# Allegro board C000PD020-3399PRO-DMEB-A-A01.brd (continued)
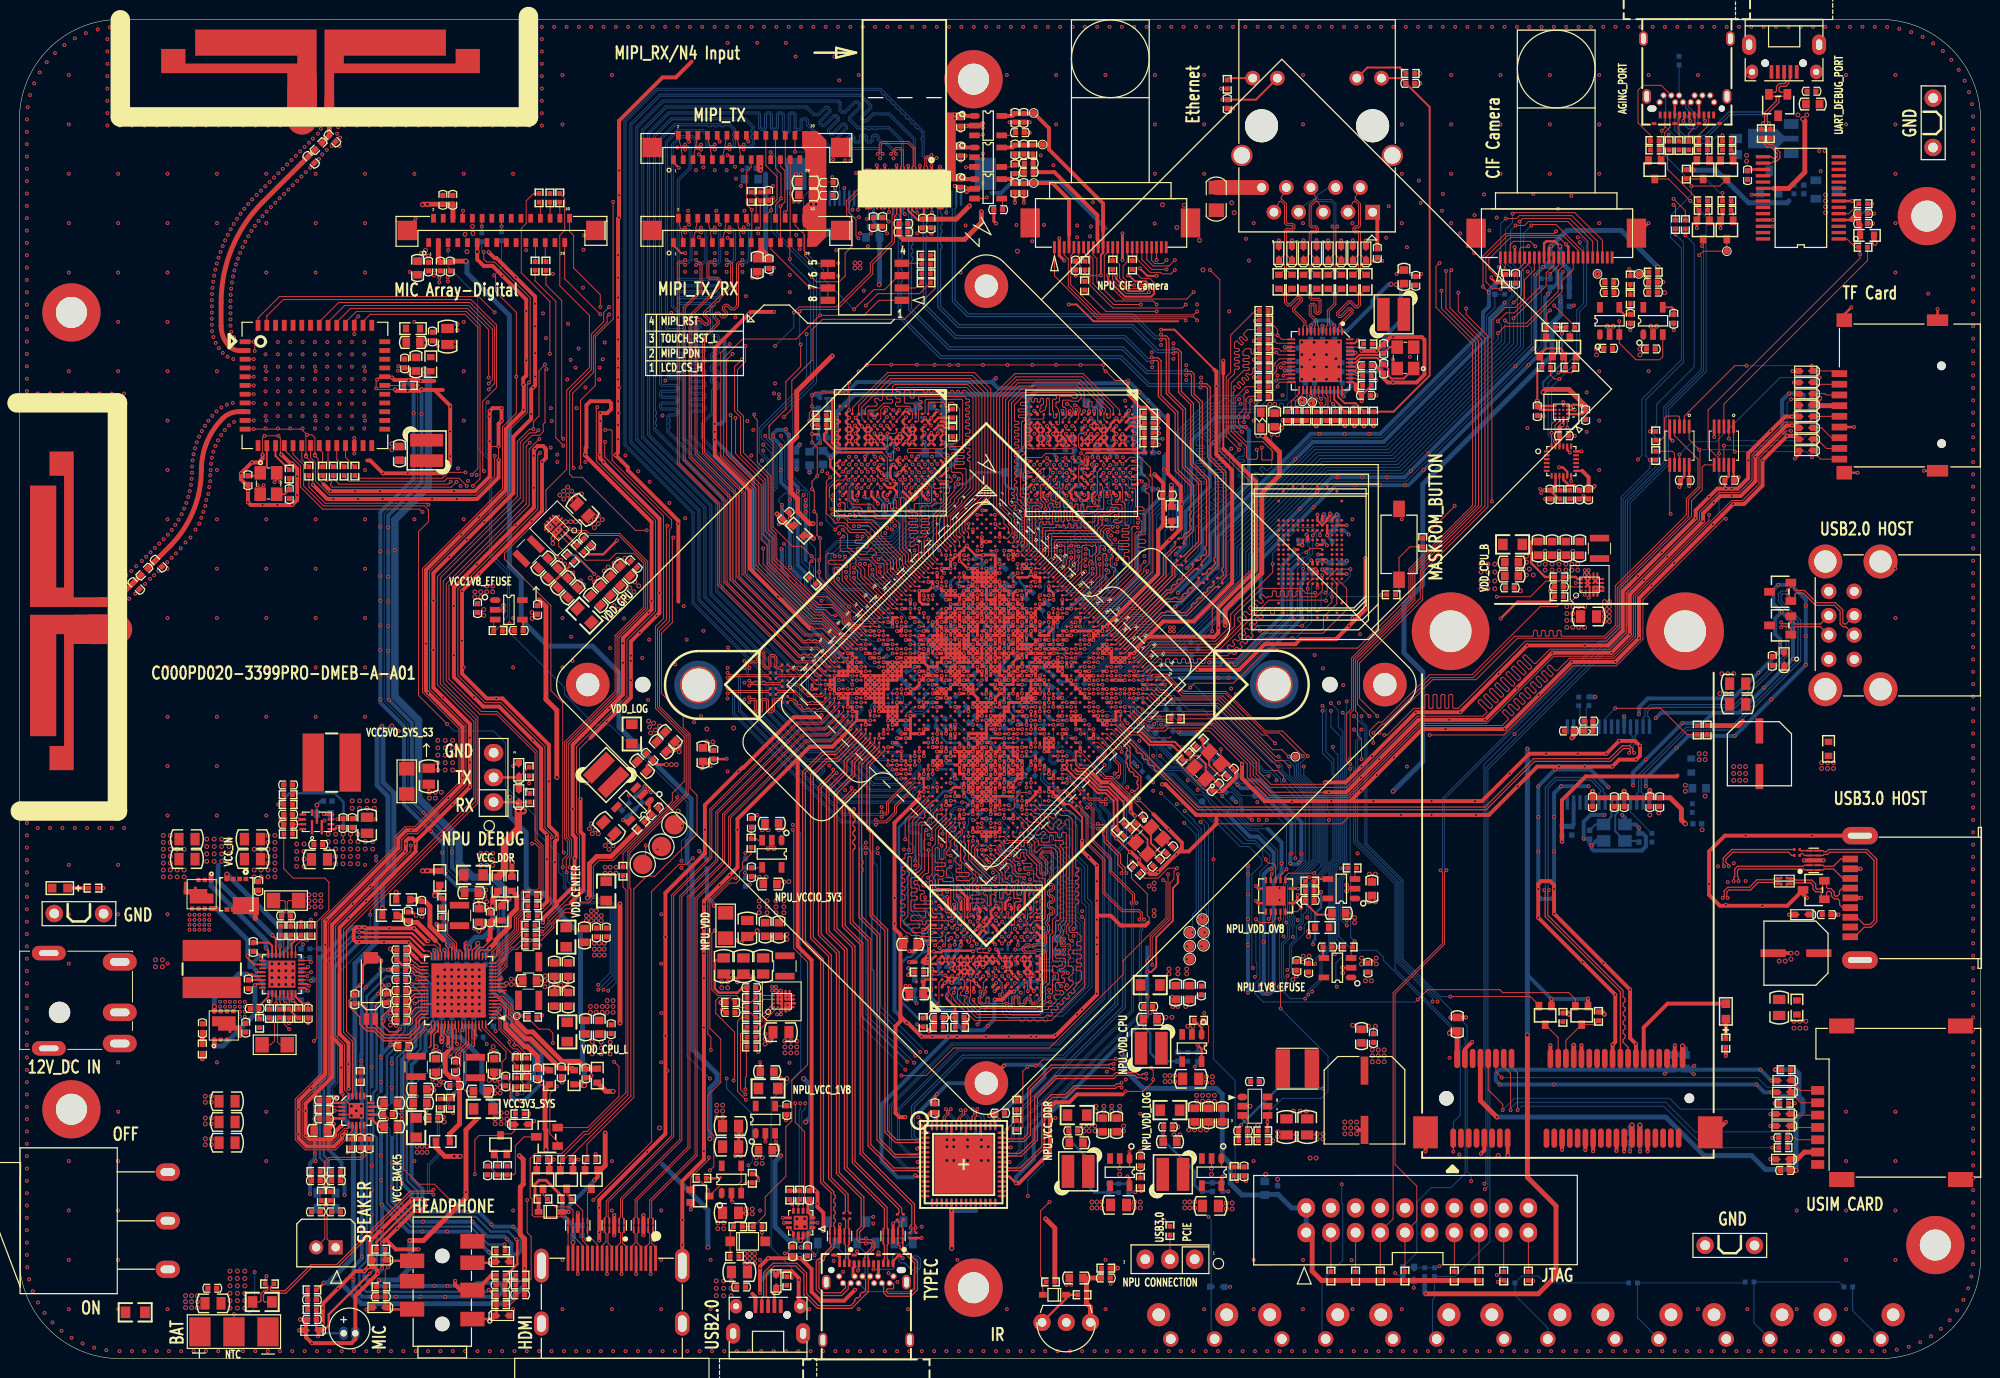
[diagram p0: board, top side]
## Routing (per net, layer and track width the routed paths; a pad name or vN(x,y) marks a point on that pad's centre or on a via; arc(x,y) is an arc through that point) (continued)
NPU_DDR_D23: length 15.7
  TOP w0.102: U1000.AW31 95.9,55.94 95.9,55.68 95.66,55.44 95.66,55.44 95.48,55.26 94.58,54.36 94.58,53.1 v1(94.9,52.77) ; U3100.E9 96.9,43.81 v1(97.23,44.15)
  BOTTOM w0.102: v1(97.23,44.15) 97.23,44.32 96.55,45.01 96.55,45.47 96.34,45.67 95.77,45.67 95.67,45.77 95.67,46.82 95.84,46.99 95.83,48.27 95.83,48.97 95.73,49.07 95.1,49.07 94.99,49.17 94.99,49.37 95.1,49.48 95.55,49.48 95.65,49.58 95.65,49.72 94.9,50.47 v1(94.9,52.77)
NPU_DDR_D24: length 19.9
  TOP w0.102: U1000.AW29 v1(94.9,56.52) ; U3100.B11 94.94,45.67 94.84,45.77 94.11,45.77 93.97,45.91 93.97,46.24 93.86,46.34 92.14,46.34 92.03,46.44 92.03,46.65 92.14,46.75 93.86,46.75 93.97,46.85 93.97,47 93.86,47.1 92.81,47.1 92.71,47.21 92.71,47.71 92.81,47.81 93.02,47.81 93.13,47.91 93.13,48.05 93,48.17 92.7,48.17 92.59,48.27 92.59,48.63 92.44,48.78 92.14,48.78 92.03,48.88 92.03,49.09 92.14,49.19 92.44,49.19 92.54,49.29 92.54,49.67 93.15,50.27 93.15,54.2 v1(93.34,54.39)
  BOTTOM w0.102: v1(93.34,54.39) 93.76,54.39 94.34,54.97 94.34,56.03 94.84,56.52 v1(94.9,56.52)
NPU_DDR_D25: length 19.5
  TOP w0.102: v1(93.86,53.46) 93.86,53.59 93.91,53.63 93.91,54.57 95.36,56.02 U1000.AW30 ; v1(93.54,52.31) 93.54,52.31 93.54,50 93.44,49.9 93.23,49.9 92.87,49.54 92.87,48.64 92.97,48.53 93.51,48.53 93.61,48.64 93.61,49.09 93.71,49.19 93.86,49.19 93.97,49.09 93.97,48.15 93.63,47.82 93.63,47.68 93.74,47.58 93.88,47.58 94.37,48.07 94.88,48.07 94.98,47.97 94.98,47.81 94.88,47.71 94.47,47.71 94.37,47.6 94.37,47.46 94.47,47.36 95.06,47.36 95.26,47.16 95.26,45.97 95.36,45.87 95.73,45.87 95.94,45.67 95.94,45.49 95.86,45.41 U3100.C11
  BOTTOM w0.102: v1(93.86,53.46) 93.15,53.46 93.01,53.32 93.01,52.43 93.13,52.31 v1(93.54,52.31)
NPU_DDR_D26: length 23.2
  TOP w0.102: U3100.C10 95.59,44.96 95.49,45.06 93.39,45.06 93.28,44.95 93.28,44.74 93.18,44.64 93.03,44.64 92.93,44.74 92.93,44.93 92.8,45.06 91.8,45.06 91.73,45.13 91.73,45.43 91.93,45.63 92.58,45.63 92.86,45.35 93.15,45.35 93.25,45.45 93.25,45.93 93.15,46.04 91.83,46.04 91.73,46.14 91.73,47.08 91.83,47.19 92.25,47.19 92.35,47.29 92.35,47.49 92.25,47.59 91.83,47.59 91.73,47.69 91.73,47.9 91.83,48 92.25,48 92.35,48.1 92.35,48.3 92.25,48.41 91.83,48.41 91.73,48.51 91.73,49.39 91.83,49.49 92.14,49.49 92.24,49.59 92.24,49.97 92.32,50.05 92.49,50.05 92.85,50.41 92.85,54.8 92.95,54.91 93.78,54.91 94.41,55.54 94.41,55.92 94.51,56.02 U1000.AY30
NPU_DDR_D27: length 24
  TOP w0.102: U3100.B10 94.94,44.35 94.84,44.25 93.7,44.25 93.46,44.01 93.46,43.84 93.36,43.74 92.89,43.74 92.79,43.84 91.93,43.84 91.83,43.94 91.83,44.21 91.93,44.31 92.54,44.31 92.64,44.41 92.64,44.62 92.54,44.72 91.53,44.72 91.36,44.55 91.21,44.55 91,44.76 91,45.09 91.43,45.51 91.43,49.59 91.61,49.77 91.61,50.02 91.43,50.2 91.43,51.58 91.52,51.68 91.67,51.68 91.77,51.57 91.77,50.36 91.87,50.26 92.22,50.26 92.54,50.58 92.54,55 92.76,55.21 93.31,55.21 93.47,55.37 93.47,55.52 93.61,55.66 93.75,55.66 93.79,55.63 93.93,55.63 94.07,55.77 94.07,55.91 94.04,55.95 94.04,56.09 U1000.AY29
NPU_DDR_D28: length 24
  TOP w0.102: U1000.AW28 93.95,57.4 91.93,55.38 91.93,52.54 91.93,52.07 91.83,51.97 91.22,51.97 91.12,51.87 91.12,51.53 91.02,51.42 90.89,51.42 90.79,51.32 90.79,51.12 90.89,51.02 91.02,51.02 91.12,50.92 91.12,50.71 91.02,50.61 90.89,50.61 90.79,50.51 90.79,50.31 90.89,50.2 91.02,50.2 91.12,50.1 91.12,49.9 91.02,49.8 90.89,49.8 90.79,49.7 90.79,49.49 90.89,49.39 91.02,49.39 91.12,49.29 91.12,49.09 91.02,48.99 90.89,48.99 90.79,48.88 90.79,48.68 90.89,48.58 91.02,48.58 91.12,48.48 91.12,48.27 91.02,48.17 90.89,48.17 90.79,48.07 90.79,47.87 90.89,47.77 91.02,47.77 91.12,47.66 91.12,47.3 91.02,47.2 90.76,47.2 90.66,47.1 90.66,46.89 90.76,46.79 91.02,46.79 91.12,46.69 91.12,46.49 91.02,46.39 90.76,46.39 90.66,46.28 90.66,46.08 90.76,45.98 91.02,45.98 91.12,45.88 91.12,45.68 91.02,45.57 90.76,45.57 90.66,45.47 90.66,44.42 91.27,43.8 91.52,43.8 91.79,43.54 92.58,43.54 92.68,43.43 93.6,43.43 93.7,43.33 94.82,43.33 94.94,43.46 U3100.B9
NPU_DDR_D29: length 19
  TOP w0.102: U1000.AY28 93.7,56.67 93.7,56.52 93.76,56.46 93.76,56.32 93.62,56.18 93.47,56.18 93.41,56.24 93.27,56.24 93.13,56.09 93.13,55.95 93.19,55.89 93.19,55.74 93.04,55.6 92.9,55.6 92.84,55.66 92.69,55.66 92.24,55.21 92.24,52.34 92.24,51.63 92.18,51.56 v1(92.18,51.26) ; U3100.C8 v1(95.87,43.29)
  BOTTOM w0.102: v1(92.18,51.26) 92.75,50.69 92.75,50.34 92.14,49.73 92.14,49.31 92.24,49.2 92.33,49.2 92.43,49.1 92.43,48.9 92.33,48.8 92.24,48.8 92.14,48.7 92.14,48.49 92.24,48.39 92.33,48.39 92.43,48.29 92.43,48.09 92.33,47.98 92.24,47.98 92.14,47.88 92.14,47.68 92.24,47.58 92.33,47.58 92.43,47.48 92.43,47.27 92.33,47.17 92.24,47.17 92.14,47.07 92.14,46.22 92.79,45.57 93.09,45.57 95.36,43.29 v1(95.87,43.29)
NPU_DDR_D30: length 20.4
  TOP w0.102: U3100.C9 95.28,43.5 95.28,42.67 v1(95.12,42.52) ; U1000.AW27 93.7,57.86 93.7,57.86 93.54,57.86 91.14,55.47 v1(91.14,53.43)
  BOTTOM w0.102: v1(95.12,42.52) 95.12,42.72 94.82,43.03 94.82,43.41 93.07,45.16 92.68,45.16 91.81,46.04 91.81,51.5 92.08,51.77 92.08,52.64 91.29,53.43 v1(91.14,53.43)
NPU_DDR_D31: length 18.8
  TOP w0.102: U3100.B8 94.73,43.01 v1(94.23,42.52) ; v1(91.53,52.34) 91.53,55.41 U1000.AY27
  BOTTOM w0.102: v1(91.53,52.34) 91.5,52.31 91.5,51.63 91.5,51.4 91.4,51.3 91.4,51.3 91.3,51.19 91.3,50.99 91.4,50.89 91.4,50.89 91.5,50.79 91.5,50.58 91.4,50.48 91.4,50.48 91.3,50.38 91.3,50.18 91.4,50.08 91.4,50.08 91.5,49.97 91.5,49.77 91.4,49.67 91.4,49.67 91.3,49.57 91.3,49.36 91.4,49.26 91.4,49.26 91.5,49.16 91.5,48.96 91.4,48.86 91.4,48.86 91.3,48.76 91.3,48.55 91.4,48.45 91.4,48.45 91.5,48.35 91.5,48.15 91.4,48.04 91.4,48.04 91.3,47.94 91.3,47.74 91.4,47.64 91.4,47.64 91.5,47.54 91.5,45.92 92.77,44.65 93.09,44.65 93.55,44.2 93.55,43.18 94.21,42.52 v1(94.23,42.52)
NPU_DDR_DM0: length 15.4
  TOP w0.102: U3100.L8 v1(101.1,42.71) ; U1000.AR36 v1(99.95,55.11)
  BOTTOM w0.102: v1(99.95,55.11) 99.95,55.09 99.86,54.99 99.86,52.9 99.38,52.42 99.38,52.2 99.25,52.06 99.25,50.94 99.55,50.63 99.55,49.9 100.43,49.02 101,49.02 101.1,48.92 101.1,45.91 101.83,45.19 101.83,43.94 101.69,43.8 101.52,43.8 101.42,43.7 101.42,43.03 v1(101.1,42.71)
NPU_DDR_DM1: length 18.6
  TOP w0.102: v1(102.73,42.56) 102.73,43 U3100.P8 ; U1000.AN36 v1(101.3,56.48)
  BOTTOM w0.102: v1(102.73,42.56) 102.73,42.66 102.99,42.93 103.76,42.93 104.1,43.27 104.1,43.6 104.27,43.76 104.39,43.76 104.75,44.12 104.75,44.54 105.59,45.37 105.59,49.95 103.05,52.49 103.05,55.3 101.87,56.48 v1(101.3,56.48)
NPU_DDR_DM2: length 16
  TOP w0.102: v1(98.13,55.41) 98.37,55.41 98.64,55.68 98.64,55.95 U1000.AT34 ; v1(98.5,42.65) 98.19,42.96 U3100.G8
  BOTTOM w0.102: v1(98.5,42.65) 98.23,42.92 98.23,45.32 98.3,45.39 98.3,45.87 98.07,46.1 98.07,49.75 97.97,49.85 97.47,49.85 97.27,50.05 97.27,54.17 97.5,54.41 97.5,54.82 97.67,54.99 97.67,55.53 97.77,55.63 97.97,55.63 98.13,55.48 v1(98.13,55.41)
NPU_DDR_DM3: length 21.6
  TOP w0.102: U3100.D8 v1(96.24,42.58) ; U1000.AT32 97.35,57.25 v1(97,57.25)
  BOTTOM w0.102: v1(97,57.25) 96.43,57.25 96.2,57.02 95.97,57.02 95.4,56.45 95.4,55.82 95.3,55.72 95.02,55.72 94.92,55.62 94.92,55.42 95.02,55.32 95.3,55.32 95.4,55.21 95.4,55.01 95.3,54.91 94.9,54.91 94.8,54.81 94.8,54.6 94.9,54.5 95.23,54.5 95.33,54.4 95.33,54.17 95.34,54.16 95.34,53.87 95.33,53.86 95.33,50.55 96.04,49.85 96.04,49.4 96.14,49.3 96.14,47.27 96.55,46.86 96.55,46.38 96.44,46.28 96.04,46.28 95.94,46.18 95.94,46.03 96.04,45.93 96.59,45.93 96.75,45.77 96.75,45.16 97.62,44.29 97.62,43.9 97.51,43.79 97.51,43.28 97.26,43.03 96.55,43.03 96.24,42.72 v1(96.24,42.58)
NPU_DDR_DQS0N: length 12.8
  TOP w0.102: U3100.L11 100.67,45.41 100.47,45.61 v1(100.47,45.8) ; U1000.AU35 v1(99.01,55.1)
  BOTTOM w0.102: v1(100.47,45.8) 100.51,45.76 100.51,45.62 100.41,45.51 100.26,45.51 100.01,45.77 100.01,48.99 99.25,49.75 99.25,50.49 98.55,51.19 98.55,52.51 98.75,52.71 99.26,52.71 99.59,53.04 99.59,54.47 99.21,54.85 99.08,54.85 99.01,54.92 v1(99.01,55.1)
NPU_DDR_DQS0P: length 13.5
  TOP w0.102: v1(100.47,45.06) 100.79,44.74 U3100.L10 ; U1000.AU36 v1(98.62,54.65)
  BOTTOM w0.102: v1(100.47,45.06) 100.47,45.2 100.36,45.31 100.18,45.31 99.8,45.68 99.8,48.9 99.05,49.66 99.05,50.41 98.35,51.1 98.35,52.59 98.67,52.92 99.18,52.92 99.38,53.12 99.38,53.28 99.29,53.37 99.09,53.37 98.99,53.48 98.99,53.68 99.06,53.75 99.3,53.75 99.38,53.83 99.38,54.38 99.12,54.64 v1(98.62,54.64)
NPU_DDR_DQS1N: length 16.9
  TOP w0.102: U1000.AR37 v1(100.83,55.1) ; U3100.P11 102.9,45.41 103.05,45.26 103.05,45.11 v1(103,45.06)
  BOTTOM w0.102: v1(103,45.06) 102.99,45.07 102.74,45.07 102.66,44.99 102.66,44.85 102.81,44.7 103.18,44.7 103.35,44.87 103.35,45.02 103.35,45.25 103.54,45.43 103.54,46.02 103.28,46.28 103.28,48.31 103.2,48.39 103.2,48.77 102.82,49.15 102.82,49.64 102.72,49.74 102.46,49.74 102.24,49.96 102.24,50.71 101.95,50.99 101.95,51.41 102.17,51.63 102.28,51.63 102.45,51.8 102.45,51.94 102.3,52.08 101.95,52.08 101.8,52.23 101.66,52.23 101.51,52.08 101.11,52.08 100.81,52.38 100.81,52.77 101.12,53.08 101.12,53.2 101.02,53.3 100.91,53.3 100.81,53.4 100.81,53.6 100.91,53.71 101.32,53.71 101.42,53.81 101.42,54.08 101.62,54.28 101.62,54.42 101.47,54.57 101.33,54.57 101.25,54.49 101.11,54.49 101.04,54.56 101.04,54.71 101.11,54.78 101.11,54.93 100.94,55.1 v1(100.83,55.1)
NPU_DDR_DQS1P: length 17
  TOP w0.102: v1(103.02,44.3) 103.02,44.34 U3100.P10 ; U1000.AT37 v1(100.37,54.65)
  BOTTOM w0.102: v1(100.37,54.64) 100.37,55.21 100.66,55.5 100.94,55.5 101.82,54.61 101.82,54.51 101.82,54.2 101.63,54 101.63,53.31 101.02,52.69 101.02,52.46 101.19,52.29 101.42,52.29 101.57,52.44 101.88,52.44 102.03,52.29 102.39,52.29 102.65,52.02 102.65,51.71 102.36,51.43 102.26,51.43 102.16,51.33 102.16,51.08 102.44,50.8 102.44,50.05 102.54,49.95 102.8,49.95 103.02,49.73 103.02,49.23 103.4,48.85 103.4,48.47 103.48,48.4 103.48,46.37 103.74,46.1 103.74,45.35 103.56,45.16 103.56,44.75 103.28,44.48 103.12,44.48 103.02,44.37 v1(103.02,44.3)
NPU_DDR_DQS2N: length 15.5
  TOP w0.102: U1000.AU32 96.75,56.48 v1(96.75,56.48) ; U3100.G11 98.19,45.57 98.09,45.67 v1(97.94,45.67)
  BOTTOM w0.102: v1(97.94,45.67) 97.94,45.51 97.84,45.41 97.69,45.41 97.56,45.54 97.56,45.98 97.76,46.18 97.77,49.04 97.76,49.04 96.91,49.9 96.91,51.92 96.45,52.38 96.45,54.06 95.98,54.54 95.98,54.68 96.08,54.78 96.53,54.78 96.66,54.91 96.66,55.05 96.56,55.15 96.08,55.15 95.97,55.26 95.97,55.45 96.07,55.55 96.23,55.55 96.33,55.65 96.33,55.84 96.23,55.94 96.07,55.94 95.97,56.04 95.97,56.23 96.23,56.48 v1(96.75,56.48)
NPU_DDR_DQS2P: length 15.6
  TOP w0.102: U1000.AU33 v1(97.2,56.02) ; U3100.G10 97.85,44.96 97.84,44.96 v1(97.82,44.98)
  BOTTOM w0.102: v1(97.2,56.02) 97.2,56.58 96.94,56.84 96.53,56.84 96.38,56.69 96.15,56.69 95.91,56.45 95.9,56.45 95.77,56.31 95.77,54.46 96.23,53.99 96.23,52.32 96.25,52.31 96.25,52.3 96.71,51.83 96.71,49.81 96.75,49.77 96.75,49.77 97.56,48.96 97.56,46.26 97.36,46.06 97.36,45.44 v1(97.82,44.98)
NPU_DDR_DQS3N: length 19.5
  TOP w0.102: U3100.D11 96.24,45.36 v1(95.94,45.06) ; U1000.AU30 v1(95.85,57.4)
  BOTTOM w0.102: v1(95.85,57.4) 95.75,57.5 95.28,57.5 93.84,56.06 93.84,55.18 93.58,54.93 91.87,54.93 91.67,54.72 91.67,54.39 91.87,54.18 92.49,54.18 92.72,53.96 92.71,52.62 92.71,52.04 92.83,51.92 93.97,51.92 94.19,51.7 94.19,46.5 95.12,45.57 95.12,45.41 95.48,45.06 v1(95.94,45.06)
NPU_DDR_DQS3P: length 20
  TOP w0.102: U1000.AU29 95.36,57.86 v1(95.33,57.86) ; U3100.D10 96.24,44.58 v1(95.99,44.32)
  BOTTOM w0.102: v1(95.33,57.86) 95.33,57.84 93.64,56.14 93.64,55.27 93.5,55.13 91.79,55.13 91.47,54.81 91.47,54.3 91.79,53.98 92.41,53.98 92.51,53.88 92.51,52.62 92.51,51.96 92.75,51.72 93.89,51.72 93.99,51.62 93.99,46.41 94.92,45.48 94.92,45.22 95.54,44.59 95.72,44.59 v1(95.99,44.32)
NPU_DFTJTAG_TCK: length 31.8
  TOP w0.203: U1000.T33 v1(107.77,65.68)
  S1 w0.089: 111.79,62.55 111.13,63.21 110.57,63.21 110.19,63.59 110.19,64.4 108.91,65.68 v1(107.77,65.68)
  S1 w0.102: v1(117.48,58.18) 117.27,57.97 116.36,57.97 111.79,62.55
  BOTTOM w0.102: v1(120.12,42.43) 121.34,43.65 121.34,54.32 v1(117.48,58.18)
NPU_DFTJTAG_TDI: length 32
  TOP w0.203: U1000.Y32 v1(105.47,64.3)
  S1 w0.089: 109.44,60.2 108.07,61.57 107.73,61.57 107.63,61.67 107.17,62.13 105.47,63.84 v1(105.47,64.3)
  S1 w0.102: 109.44,60.2 109.75,59.89 109.75,58.38 110.77,57.36 110.77,56.96 112.45,55.28 119.71,55.28 v1(119.86,55.13)
  BOTTOM w0.102: v1(120.73,43.85) 120.73,45.73 121.08,46.09 121.08,53.91 v1(119.86,55.13)
NPU_DFTJTAG_TDO: length 35.2
  TOP w0.203: U1000.AA32 v1(104.55,63.38)
  S1 w0.089: 109.58,60.34 109.55,60.38 109.55,60.77 105.7,64.62 105.3,64.62 105.14,64.46 105.12,64.46 104.55,63.88 v1(104.55,63.38)
  S1 w0.102: v1(121.54,55.23) 121.29,55.48 112.55,55.48 110.97,57.06 110.97,57.47 109.96,58.48 109.96,59.97 109.58,60.34
  BOTTOM w0.102: v1(121.95,43.85) 122.15,44.05 122.15,46.14 121.95,46.34 121.95,54.82 v1(121.54,55.23)
NPU_DFTJTAG_TMS: length 32.6
  TOP w0.203: U1000.R30 v1(106.39,67.05)
  S1 w0.089: v1(106.39,67.05) 106.39,65.67 106.06,65.35 106.06,65.02 109.04,62.04 109.86,62.04 110.57,61.33
  S1 w0.102: v1(119.91,56.35) 115.54,56.35 114.63,57.26 113.31,57.26 111.18,59.4 111.18,60.72 110.57,61.33
  BOTTOM w0.102: v1(119.91,56.35) 120.93,55.33 120.93,55.18 121.59,54.52 121.59,45.53 v1(121.74,45.38)
NPU_DFTJTAG_TRSTN: length 32.6
  TOP w0.203: U1000.U34 v1(107.77,64.76)
  S1 w0.089: 111.3,62.06 110.82,62.55 110.46,62.55 108.25,64.76 v1(107.77,64.76)
  S1 w0.102: 111.3,62.06 112.09,61.28 112.09,60.11 113,59.19 114.17,59.19 116.31,57.06 v1(119.1,57.06)
  BOTTOM w0.102: v1(121.64,42.43) 121.64,42.53 122.35,43.24 122.35,54.93 120.22,57.06 v1(119.1,57.06)
NPU_EFUSE_EN_H: length 59.6
  TOP w0.102: U1000.U30 v1(105.93,66.59) ; U9601.3 137.02,42.2 R9601.1 137.18,42.73 v1(137.39,42.94)
  S1 w0.089: 110.41,61.17 109.72,61.87 108.94,61.87 105.89,64.92 105.89,65.42 106.22,65.74 106.22,66.3 v1(105.93,66.59)
  S1 w0.102: v1(136.93,60.68) 132.42,60.68 127.72,55.99 115.6,55.99 114.53,57.06 113.21,57.06 110.97,59.29 110.97,60.62 110.41,61.17
  BOTTOM w0.102: v1(137.39,42.94) 136.98,43.34 136.98,50.95 136.93,51 v1(136.93,60.68)
NPU_GPIO0_B0: length 42.4
  TOP w0.102: U1000.V32 v1(106.39,65.22)
  S1 w0.089: 110.74,61.5 109.55,62.7 109.36,62.7 106.84,65.22 v1(106.39,65.22)
  S1 w0.102: v1(129.36,59.5) 129.11,59.5 125.96,56.35 123.06,56.35 122.71,56.7 115.48,56.7 114.71,57.47 113.41,57.47 111.38,59.5 111.38,60.8 110.74,61.44 110.74,61.5
  BOTTOM w0.102: v1(129.36,59.5) 129.36,59.7 128.75,60.31 128.04,60.31 122.15,66.2 120.02,66.2 R1125.1
NPU_GPIO0_C7: length 9.8
  TOP w0.203: U1000.AA33 v1(105.01,62.92)
  BOTTOM w0.089: R1126.1 108.93,69.57 109.01,69.49 109.01,69.22 108.93,69.14 108.93,69.14 106.91,67.12 106.91,66.07 107.17,65.81 107.17,65.54 106.98,65.35 106.4,64.77 106.4,63.85 105.47,62.92 v1(105.01,62.92)
NPU_I2C1_SCL: length 135.6
  TOP w0.102: R2255.1 74.14,36.13 R1130.1 73.12,37.15 71.96,37.15 71.65,36.84 71.65,35.52 73.58,33.59 73.58,28.92 73.48,28.81 v1(73.48,28.61)
  TOP w0.203: U1000.AD33 v1(103.63,62.46)
  S1 w0.089: 109.3,60.06 107.95,61.4 107.63,61.4 107.44,61.21 107.17,61.21 105.14,63.24 104.87,63.24 104.63,63 104.46,63 104.11,63.36 103.15,63.36 102.85,63.05 102.85,62.78 103.03,62.59 103.49,62.59 v1(103.63,62.46)
  S1 w0.102: v1(134.75,55.43) 134.54,55.23 129.06,55.23 127.64,53.81 115.54,53.81 114.33,55.03 112.4,55.03 110.57,56.86 110.57,57.26 109.55,58.28 109.55,59.8 109.3,60.06 ; v1(130.48,39.38) 129.97,38.87 129.97,37.96 128.65,36.64 121.18,36.64 119.25,34.71 114.22,34.71 108.94,29.42 104.42,29.42 100.66,25.66 99.8,25.66 99.09,24.95 94.92,24.95 93.7,26.17 91.58,26.17 89.96,27.8 76.53,27.8 75.51,28.81 73.69,28.81 v1(73.48,28.61)
  BOTTOM w0.102: v1(130.48,39.38) 130.89,39.79 130.89,42.43 132.21,43.75 132.21,44.56 132.92,45.27 132.92,48.52 134.54,50.15 134.54,55.03 134.75,55.23 v1(134.75,55.43)
NPU_I2C1_SDA: length 130.9
  TOP w0.102: U1000.P33 v1(108.68,66.59) ; v1(74.7,27.7) 74.7,28.92 74.8,29.02 74.8,31.96 74.86,32.02 R1131.1 R2254.1
  S1 w0.089: 111.48,63.36 110.41,64.43 110.39,64.43 108.68,66.14 v1(108.68,66.59)
  S1 w0.102: v1(74.7,27.7) 75.21,27.7 76.02,26.88 85.06,26.88 88.52,23.43 99.56,23.43 100.07,22.92 104.1,22.92 105.32,24.14 106.89,24.14 107.92,25.17 107.92,28.1 113.51,33.69 118.81,33.69 121.35,36.23 128.85,36.23 132.61,39.99 132.61,40.5 133.73,41.62 v1(135.36,41.62) ; v1(135.15,62.95) 134.9,63.21 130.07,63.21 129.82,62.95 126.38,62.95 123.54,60.11 114.73,60.11 111.48,63.36
  BOTTOM w0.102: v1(135.36,41.62) 135.36,50.76 135.76,51.17 135.76,60.01 135.66,60.11 135.66,62.14 135.15,62.65 v1(135.15,62.95)
NPU_I2C3_SCL: length 109.5
  TOP w0.102: J4800.5 108.5,113.82 108.18,113.5 108.18,110.5 111.28,107.4 120.83,107.4 v1(121.18,107.76)
  TOP w0.203: U1000.AF27 v1(101.33,63.84)
  POWER2 w0.089: v1(101.33,63.84) 101.5,63.84 102.34,63 102.34,62.37 103.08,61.63 103.71,61.63 103.96,61.89 104.66,61.89 107.17,59.38 107.17,59.38 107.63,58.92 108.16,58.92 108.17,58.93
  POWER2 w0.102: v1(121.18,107.76) 121.54,107.4 121.54,102.98 122.76,101.76 122.76,99.52 124.33,97.95 124.33,93.28 126.52,91.09 126.52,81.15 129.92,77.74 129.92,74.48 133.17,71.23 133.17,67.93 130.48,65.24 125.3,65.24 119.81,59.75 114.38,59.75 113.56,58.93 108.17,58.93
  BOTTOM w0.089: v1(101.33,63.84) 99.88,63.84 99.41,64.31 97.27,64.31 96.69,64.89 96.14,64.89 95.86,65.17 95.36,65.17 R9822.1
NPU_I2C3_SDA: length 107.6
  TOP w0.102: J4800.3 107.5,113.56 107.92,113.14 107.92,110.35 111.07,107.2 120.83,107.2 v1(121.18,106.84)
  TOP w0.203: U1000.AE27 v1(100.87,64.3)
  POWER2 w0.089: 108.59,59.35 108.23,59.35 107.52,60.06 106.76,60.06 104.72,62.09 103.54,62.09 101.93,63.7 101.33,64.3 v1(100.87,64.3)
  POWER2 w0.102: v1(121.18,106.84) 121.18,103.03 122.56,101.66 122.56,99.44 124.13,97.87 124.13,93.19 126.31,91.01 126.31,81.06 129.72,77.66 129.72,74.4 132.97,71.15 132.97,68.02 130.39,65.44 125.21,65.44 119.73,59.95 114.27,59.95 113.67,59.35 112.8,59.35 112.45,59.7 111.79,59.7 111.43,59.35 108.59,59.35
  BOTTOM w0.089: R9823.1 96.05,65.9 97.47,64.48 99.49,64.48 99.9,64.07 100.64,64.07 v1(100.87,64.3)
NPU_INT_CPU: length 2.3
  TOP w0.102: v1(117.17,67.83) 117.1,67.83 U1000.C40
  BOTTOM w0.102: R1124.2 117.97,67.03 v1(117.17,67.83)
NPU_JTAG_TCK: length 43.7
  TOP w0.102: v1(64.44,52.79) 64.44,51.17 TP9709.1
  TOP w0.305: U1000.AK21 v1(95.36,64.3)
  S1 w0.089: 91.72,58.02 93.04,59.35 93.65,59.35 95.28,60.97 95.28,61.15 95.02,61.41 95.02,62.58 95.22,62.78 95.26,62.78 95.36,62.88 v1(95.36,64.3)
  S1 w0.102: v1(64.44,52.79) 64.44,52.89 64.54,53 71.01,53 72.53,51.47 75.4,51.47 75.4,51.47 76.97,51.47 76.97,51.47 88.64,51.47 91.41,54.25 91.41,57.72 91.72,58.02
NPU_JTAG_TMS: length 41.4
  TOP w0.305: U1000.AK23 v1(96.27,64.3)
  S1 w0.089: 92.53,57.21 93.9,58.58 93.9,59.09 95.83,61.02 95.83,61.05 95.91,61.13 95.91,61.61 96.14,61.83 96.14,62.13 96.07,62.2 96.07,62.21 95.95,62.32 95.95,62.33 95.92,62.36 95.92,63.48 96.27,63.84 v1(96.27,64.3)
  S1 w0.102: v1(65.66,52.39) 65.66,52.49 65.76,52.59 70.84,52.59 72.36,51.06 75.57,51.06 88.96,51.06 90.74,52.84 91.52,52.84 91.82,53.15 91.82,56.5 92.53,57.21
NPU_LPDDR3_A0: length 40.5
  TOP w0.102: v1(105.94,37.95) 105.94,37.64 106.05,37.54 106.2,37.54 106.3,37.64 106.3,38.89 106.4,38.99 106.81,38.99 106.91,39.09 106.91,39.57 106.78,39.7 106.4,39.7 106.3,39.8 106.3,40.36 106.4,40.46 106.5,40.46 106.68,40.28 106.81,40.28 106.99,40.46 107.21,40.46 107.32,40.56 107.32,40.79 107.21,40.89 106.4,40.89 106.3,41 106.3,43.38 106.6,43.69 106.6,44.96 106.71,45.06 106.91,45.06 107.11,45.26 107.11,51.16 107.11,52.29 106.55,52.85 104.9,52.85 104.85,52.9 104.85,53.25 103.54,54.55 103.36,54.55 103.17,54.75 103.17,55.1 U1000.AM40 ; U3100.R2 103.39,38.6 103.46,38.67 103.63,38.67 103.73,38.57 103.73,37.82 v1(103.76,37.8)
  BOTTOM w0.102: v1(105.94,37.95) 106.05,38.05 106.2,38.05 106.8,37.45 106.94,37.45 107.1,37.61 107.1,37.75 106.4,38.46 105.89,38.46 105.61,38.74 105.46,38.74 105.28,38.56 105.28,38.35 105.57,38.07 105.57,37.87 105.28,37.59 105.28,36.93 105.18,36.83 104.98,36.83 104.88,36.93 104.88,37.34 104.78,37.44 104.57,37.44 104.47,37.34 104.47,36.63 104.37,36.53 104.17,36.53 104.06,36.63 104.06,37.24 103.96,37.34 103.76,37.34 103.66,37.24 103.66,36.63 103.56,36.53 102.8,36.53 102.7,36.63 102.7,37.09 102.84,37.24 103.15,37.24 103.4,37.49 103.4,38.2 103.62,38.42 103.98,38.42 104.08,38.32 104.08,38.12 v1(103.76,37.8)
NPU_LPDDR3_A1: length 41
  TOP w0.102: v1(107.78,38.42) 107.68,38.42 107.55,38.29 107.55,38.06 107.69,37.92 107.8,37.92 108.43,38.56 108.43,38.78 108.29,38.93 108.11,38.93 107.99,39.05 107.99,39.23 108.43,39.67 108.43,40.18 108.23,40.39 108.03,40.39 107.92,40.49 107.92,41 108.13,41.2 108.13,41.4 107.92,41.61 107.92,41.91 108.13,42.11 108.13,42.58 108.03,42.68 107.88,42.68 107.62,42.42 107.21,42.42 107.11,42.52 107.11,43.33 107.42,43.64 107.42,44.04 107.21,44.25 107.21,44.45 107.72,44.96 107.72,54.03 107.61,54.15 107.33,54.15 107.23,54.04 107.23,53.71 107.13,53.61 106.92,53.61 106.82,53.71 106.82,54.04 106.72,54.15 105.94,54.15 105.07,55.02 105.06,55.02 104.9,55.19 104,55.19 U1000.AL40 ; v1(103.05,37.64) 102.74,37.95 U3100.P2
  BOTTOM w0.102: v1(103.05,37.64) 102.84,37.64 102.39,37.19 102.39,36.37 102.54,36.22 104.62,36.22 104.93,36.53 105.49,36.53 105.59,36.63 105.59,37.44 105.72,37.57 106.17,37.57 106.4,37.34 106.4,37.03 106.5,36.93 106.87,36.93 108.74,38.8 108.74,39.96 108.64,40.06 108.43,40.06 108.33,39.96 108.33,38.97 108.21,38.84 108.07,38.84 107.99,38.93 107.99,39.1 107.88,39.2 107.68,39.2 107.58,39.1 107.58,38.62 v1(107.78,38.42)
NPU_LPDDR3_A2: length 41.8
  TOP w0.102: U1000.AL39 103.64,56.02 v1(103.64,56.02) ; v1(102.44,38.66) 102.44,38.56 U3100.N2
  BOTTOM w0.102: v1(102.44,38.66) 102.74,38.66 102.91,38.82 102.91,39 102.69,39.22 102.69,39.67 102.79,39.78 103.73,39.78 103.84,39.88 103.84,40.49 103.94,40.59 104.14,40.59 104.24,40.49 104.24,39.88 104.34,39.78 104.57,39.78 104.67,39.88 104.67,40.28 104.78,40.39 108.74,40.39 108.84,40.49 108.84,44.55 108.43,44.96 108.37,45.02 106.77,45.02 106.67,45.12 106.67,50.02 106.99,50.34 106.99,50.49 106.85,50.63 106.7,50.63 106.34,50.27 106.2,50.27 106.05,50.41 106.05,50.56 106.41,50.92 106.41,51.06 106.27,51.21 106.12,51.21 105.76,50.85 105.62,50.85 105.47,50.99 105.47,51.14 105.83,51.5 105.83,51.64 105.69,51.79 105.54,51.79 105.18,51.42 105.04,51.42 104.89,51.57 104.89,51.71 105.31,52.13 105.31,52.27 105.16,52.42 105.02,52.42 104.6,52 104.46,52 104.31,52.15 104.31,52.29 104.73,52.71 104.73,52.71 104.89,52.87 104.89,53.02 104.76,53.15 104.58,53.15 104.02,52.58 103.88,52.58 103.73,52.73 103.73,53.41 103.83,53.51 105.64,53.51 105.74,53.61 105.74,53.81 105.64,53.91 103.83,53.91 103.73,54.02 103.73,54.3 103.83,54.4 104.75,54.4 104.85,54.5 104.85,54.71 104.75,54.81 103.83,54.81 103.73,54.91 103.73,55.93 v1(103.64,56.02)
NPU_LPDDR3_A3: length 40.7
  TOP w0.102: U3100.N3 101.76,39.35 v1(101.76,39.37) ; v1(108.29,42.99) 108.1,42.99 107.99,43.11 107.99,43.53 107.72,43.79 107.72,44.48 108.03,44.78 108.03,55.35 107.91,55.47 107.76,55.47 107.59,55.3 107.59,54.96 107.11,54.48 106.96,54.48 106.82,54.62 106.82,54.76 107.23,55.18 107.23,55.32 107.07,55.48 106.93,55.48 106.38,54.93 106.38,54.56 106.28,54.46 106.15,54.46 105.81,54.8 105.81,54.94 106.03,55.16 106.03,55.3 105.85,55.48 105.85,55.7 105.92,55.77 106.1,55.77 106.26,55.61 106.48,55.61 106.64,55.77 106.64,55.91 106.48,56.08 105.56,56.08 105.45,55.97 105.45,55.44 105.35,55.33 105.15,55.33 105.05,55.44 105.05,55.97 104.95,56.08 104.52,56.08 104.11,56.48 103.96,56.48 103.96,56.48 U1000.AK39
  BOTTOM w0.102: v1(108.29,42.99) 108.49,42.79 108.49,42.54 108.43,42.48 108.39,42.44 107.99,42.44 107.88,42.34 107.88,42.14 107.99,42.04 108.39,42.04 108.43,42 108.49,41.94 108.49,41.73 108.43,41.67 108.39,41.63 107.99,41.63 107.88,41.53 107.88,41.33 107.99,41.22 108.39,41.22 108.43,41.18 108.49,41.12 108.49,40.89 108.39,40.79 107.55,40.79 107.45,40.89 107.45,41.1 107.35,41.2 107.11,41.2 107.01,41.1 107.01,40.89 106.91,40.79 104.37,40.79 104.27,40.89 104.27,41.2 104.06,41.4 100.91,41.4 100.81,41.3 100.81,39.83 100.91,39.73 101.57,39.73 101.73,39.57 101.73,39.4 v1(101.76,39.37)
NPU_LPDDR3_A4: length 42.3
  TOP w0.102: U1000.AJ37 103.17,57.4 v1(103.16,57.39) ; v1(101.12,39.37) 101.12,39.34 U3100.M3
  BOTTOM w0.102: v1(101.12,39.37) 101.22,39.27 101.22,39.17 101.42,38.96 101.93,38.96 102.06,38.84 102.06,38.38 101.83,38.15 101.83,37.74 102.08,37.49 102.08,36.17 102.34,35.92 104.75,35.92 105.05,36.22 107.02,36.22 109.45,38.65 109.45,44.86 108.67,45.63 108.43,45.63 107.88,45.63 107.78,45.73 107.78,45.96 107.88,46.06 108.53,46.06 108.64,46.16 108.64,46.37 108.53,46.47 108.43,46.47 107.88,46.47 107.78,46.57 107.78,46.77 107.88,46.88 108.53,46.88 108.64,46.98 108.64,47.18 108.53,47.28 107.88,47.28 107.78,47.38 107.78,47.59 107.88,47.69 108.43,47.69 108.53,47.69 108.64,47.79 108.64,47.99 108.53,48.09 108.43,48.09 107.88,48.09 107.78,48.2 107.78,48.37 107.88,48.48 108.49,48.48 108.6,48.58 108.6,48.78 108.49,48.88 108.43,48.88 107.78,48.88 107.58,49.09 107.38,49.09 107.27,49.19 107.27,49.59 107.38,49.7 107.58,49.7 107.78,49.9 107.78,50.81 106.63,51.96 106.63,54.18 104.16,56.65 104.16,56.96 103.73,57.39 v1(103.16,57.39)